# Altium PCB radxa_cm4_io_v1.10.PcbDoc (part 4 of 8)
Units mil, origin at the board's own origin, x right, y up, seen from the top; angles counter-clockwise.
Board outline 6299.62 x 3544.12 mil, 4 copper layers (Top, GND, Power, Bottom), stack 35.4 mil thick; 509 components, 417 nets, 1867 pads, 2150 vias.
Unrouted connection lines stored in the file: 1451.
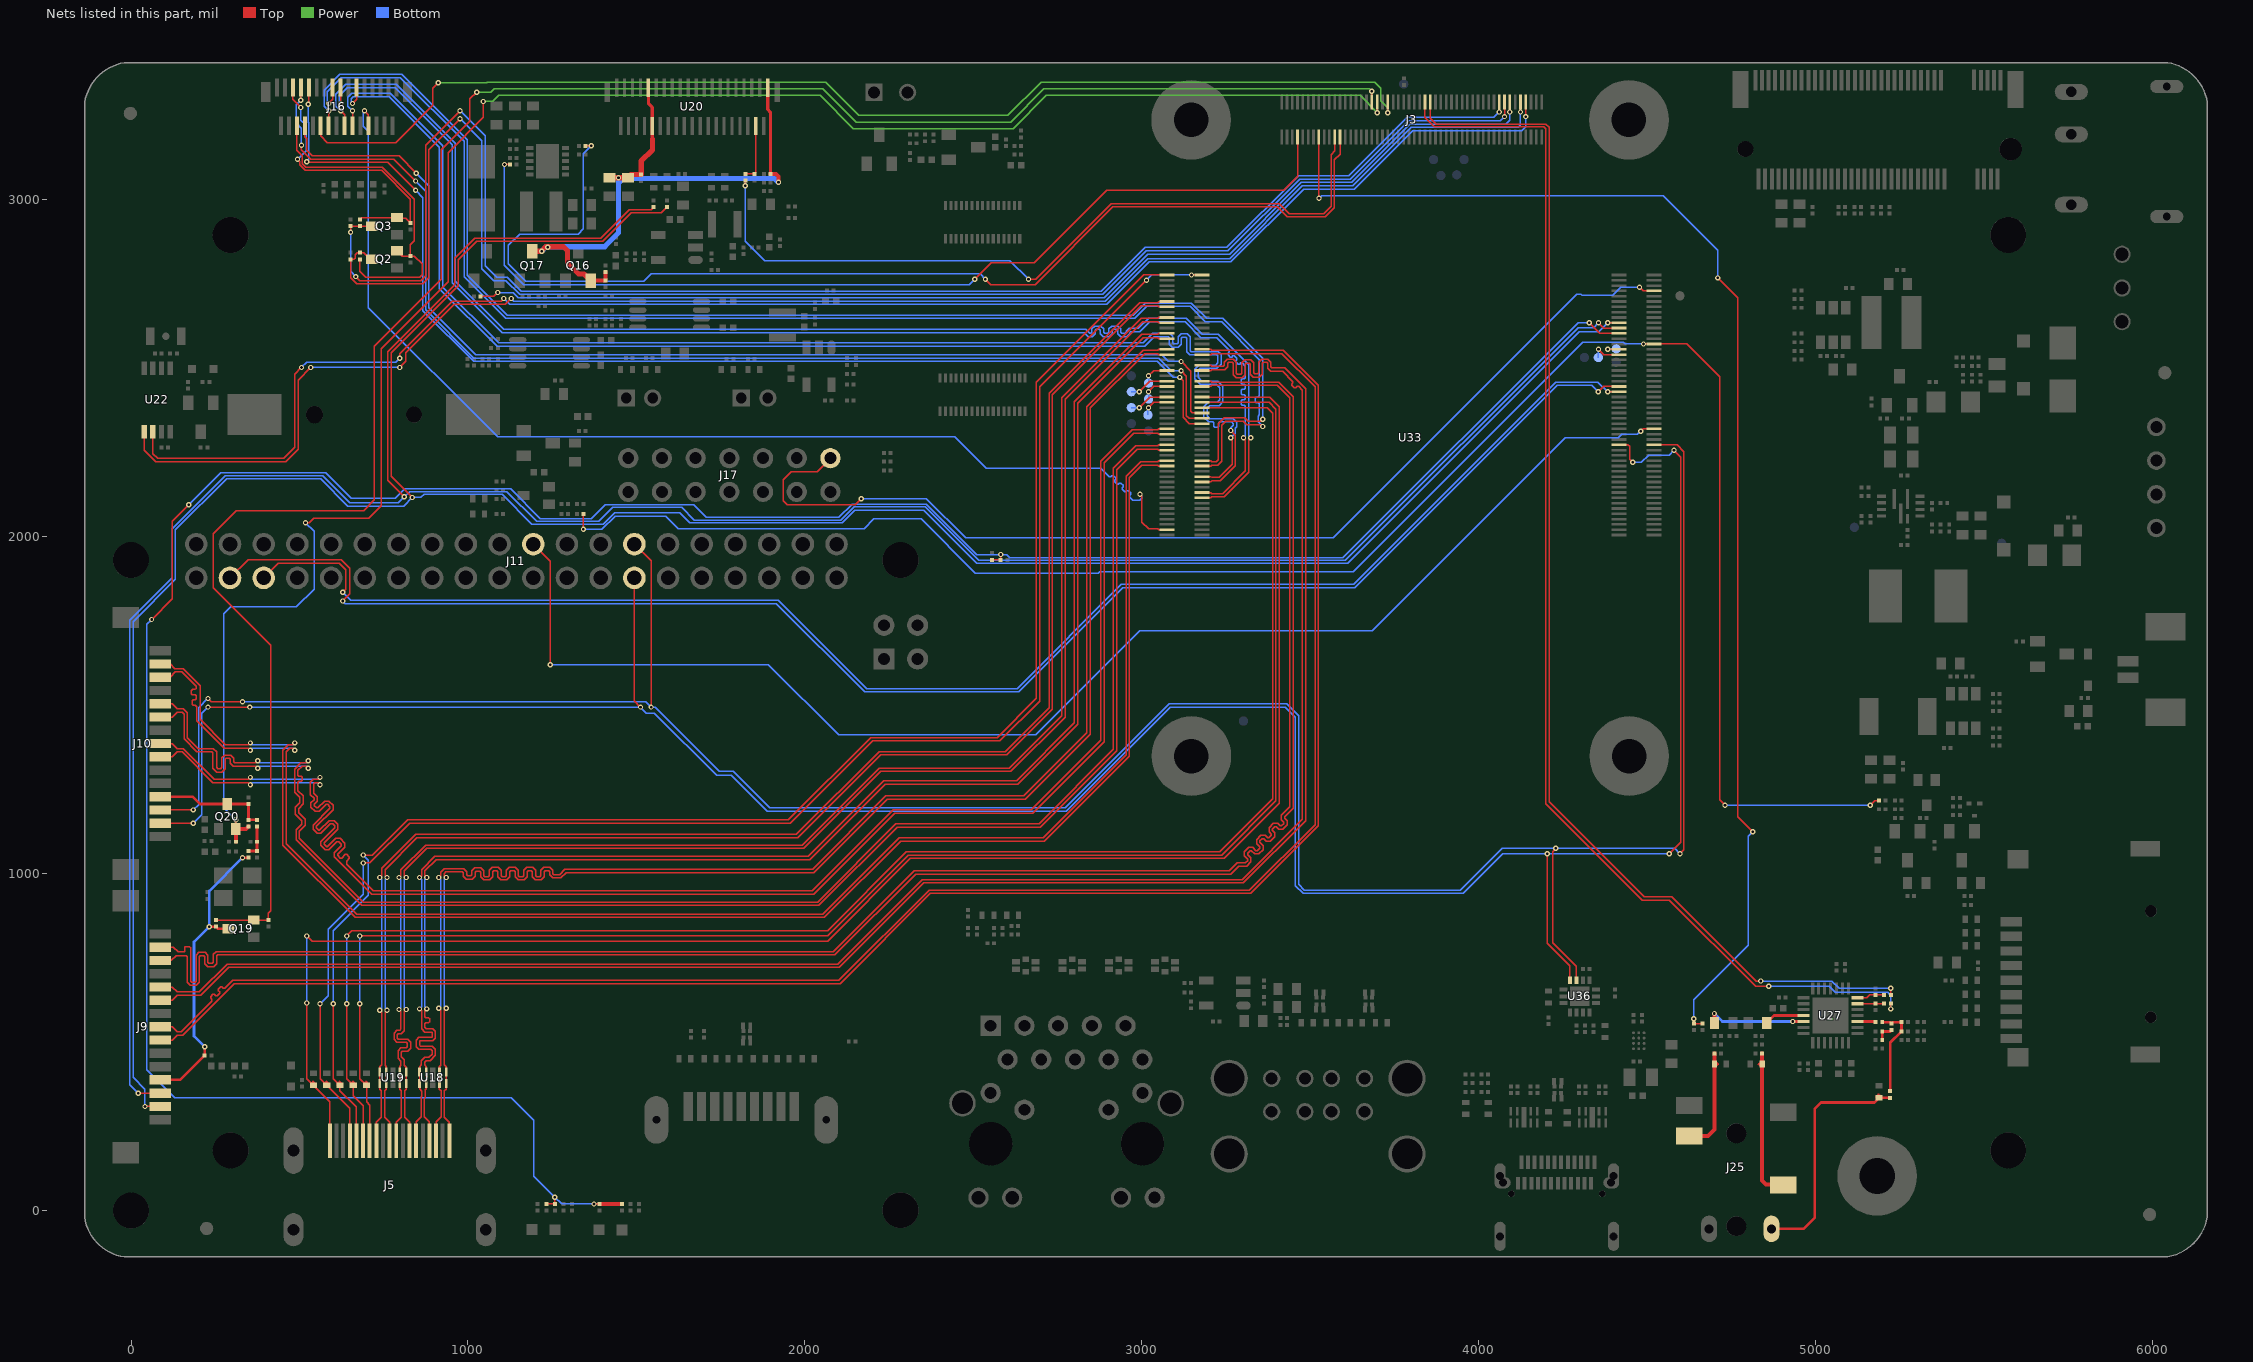
[diagram p6: the nets of this part, all layers, seen from the top]

## Via types
v1: diameter 15.75, hole 7.87, Top to Bottom, 2047 vias
v2: diameter 19.68, hole 11.81, Top to Bottom, 103 vias

## Nets (pads, with @x,y where several pads share a name; then routed paths per layer and width w, separated by ;. In a path a pad name is that pad's centre, name@x,y a point inside that pad or via, vN(x,y) a via of type N, cw(c..) or ccw(c..) an arc to the next point about the centre after c; other vN are vias at no path point) (continued)
GPIO3_D6_1V8: R326.1 R356.1 U33.73 | length 5594.9
  Top w3.94: v1(1342.52,2021.65) R356.1@1342.52,2066.93 ; v1(4488.58,2571.65) U33.73@4520.08,2571.65 4617.32,2571.65 4714.57,2474.41 4714.57,1218.5 v1(4730.32,1202.76) ; v1(5161.42,1202.76) 5175.2,1216.54 R326.1@5187.01,1216.54
  Bottom w3.94: v1(1342.52,2021.65) 1397.64,2021.65 1437.01,2061.02 1586.61,2061.02 1624.02,2023.62 2175.2,2023.62 2204.72,2053.15 2344.49,2053.15 2505.91,1891.73 2870.2,1891.73 2874.14,1895.67 3627.13,1895.67 4308.23,2576.77 4428.78,2576.77 4433.9,2571.65 v1(4488.58,2571.65) ; v1(4730.32,1202.76) v1(5161.42,1202.76)
GPIO_VREF: R214.1 R215.1 R216.2 R219.1 R224.1 R225.2 U33.78 | length 8265.5
  Top w3.94: v1(61.02,1753.94) 122.05,1814.96 122.05,2045.28 v1(171.26,2094.49) ; R219.1@1232.28,19.69 R216.2@1257.87,19.69 v1(1257.87,39.37) ; v1(1374.02,19.69) R224.1@1389.76,19.69 ; R215.1@2555.12,1931.1 R214.1@2580.71,1931.1 v1(2580.71,1946.85) ; v1(4327.17,2634.65) 4358.66,2603.15 U33.78@4415.35,2603.15
  Top w11.81: R224.1@1389.76,19.69 R225.2@1456.69,19.69
  Bottom w3.94: v1(61.02,1753.94) 47.24,1740.16 47.24,417.32 129.92,334.65 1127.95,334.65 1194.88,267.72 1194.88,102.36 v1(1257.87,39.37) 1277.56,19.69 v1(1374.02,19.69) ; v1(171.26,2094.49) 265.75,2188.98 578.13,2188.98 652.93,2114.17 784.02,2114.17 811.58,2141.73 1126.35,2141.73 1214.93,2053.15 1366.38,2053.15 1407.72,2094.49 1669.88,2094.49 1707.28,2057.09 2100.92,2057.09 2140.29,2096.46 2360.24,2096.46 2509.84,1946.85 v1(2580.71,1946.85) 2598.12,1946.85 2607.96,1937.01 3596.46,1937.01 4294.09,2634.65 v1(4327.17,2634.65)
HDMI_TX0N: J5.9 U19.4 U19.7 U33.184 | length 4399.1
  Top w3.94: J5.9@787.09,207.82 787.09,261.5 802.16,276.57 802.16,355.31 797.24,360.24 U19.4@797.24,376.48 U19.7@797.24,410.92 797.24,427.17 801.18,431.11 801.18,443.83 792.32,452.69 792.32,474.55 801.04,483.27 816.93,483.27 819.88,486.22 819.88,496.06 816.93,499.02 789.23,499.02 780.51,507.73 780.51,525.73 789.23,534.45 798.23,534.45 801.18,537.4 801.18,590.55 v1(795.28,596.46) ; v1(795.28,988.19) 801.18,994.09 801.18,1011.81 874.02,1084.65 1992.13,1084.65 2220.47,1312.99 2606.3,1312.99 2761.81,1468.5 2761.81,2411.42 2997.83,2647.44 3046.26,2647.44 3049.21,2650.39 U33.184@3074.8,2650.39
  Bottom w3.94: v1(795.28,596.46) 801.18,602.36 801.18,982.28 v1(795.28,988.19)
HDMI_TX0P: J5.7 U19.5 U19.6 U33.182 | length 4383.4
  Top w3.94: v1(816.93,596.46) 811.02,590.55 811.02,533.32 802.31,524.61 793.31,524.61 790.35,521.65 790.35,511.81 793.31,508.86 821.01,508.86 829.72,500.14 829.72,482.14 821.01,473.43 805.12,473.43 802.17,470.47 802.17,456.76 811.02,447.9 811.02,431.1 816.93,425.2 U19.6@816.93,410.92 U19.5@816.93,376.48 816.93,360.24 812.01,355.31 812.01,276.58 826.46,262.13 J5.7@826.46,207.82 ; v1(816.93,988.19) 811.02,994.09 811.02,1007.73 878.09,1074.8 1996.2,1074.8 2224.55,1303.15 2610.38,1303.15 2771.65,1464.43 2771.65,2407.34 3001.91,2637.6 3046.26,2637.6 3049.21,2634.65 U33.182@3074.8,2634.65
  Bottom w3.94: v1(816.93,596.46) 811.02,602.36 811.02,982.28 v1(816.93,988.19)
HDMI_TX1N: J5.6 U18.1 U18.10 U33.178 | length 4383.8
  Top w3.94: J5.6@846.14,207.82 846.14,263.46 860.9,278.22 860.9,337.28 863.19,339.57 863.19,354.34 856.3,361.22 U18.1@856.3,376.48 U18.10@856.3,410.92 856.3,427.17 861.22,432.09 861.22,443.9 872.05,454.72 883.86,454.72 893.7,464.57 893.7,474.41 889.76,478.35 861.08,478.35 854.19,478.35 846.46,486.08 846.46,506.05 854.19,513.78 859.11,513.78 891.73,513.78 893.7,515.75 893.7,527.56 891.73,529.53 871.91,529.53 862.2,539.23 862.2,592.52 v1(856.3,598.43) ; v1(856.3,988.19) 862.2,994.09 862.2,1011.81 901.57,1051.18 2009.84,1051.18 2234.25,1275.59 2627.81,1275.59 2799.21,1446.99 2799.21,2399.61 2999.8,2600.2 3046.26,2600.2 3049.21,2603.15 U33.178@3074.8,2603.15
  Bottom w3.94: v1(856.3,598.43) 862.2,604.33 862.2,982.28 ; v1(856.3,988.19) 862.2,982.28 ; v1@862.2,983.59 862.2,982.28
HDMI_TX1P: J5.4 U18.2 U18.9 U33.176 | length 4385.2
  Top w3.94: v1(877.95,598.43) 872.05,592.52 872.05,574.8 874.02,572.83 881.89,572.83 885.83,568.9 885.83,561.02 881.89,557.09 874.02,557.09 872.05,555.12 872.05,543.31 875.98,539.37 895.81,539.37 903.54,531.64 903.54,511.67 895.81,503.94 858.27,503.94 856.3,501.97 856.3,490.16 858.27,488.19 893.84,488.19 903.54,478.49 903.54,460.49 887.94,444.88 876.12,444.88 871.06,439.82 871.06,432.09 875.99,427.17 U18.9@875.99,410.92 U18.2@875.99,376.48 875.99,361.22 873.03,358.27 873.03,335.49 870.74,333.2 870.74,278.86 885.51,264.1 J5.4@885.51,207.82 ; v1(877.95,988.19) 872.05,994.09 872.05,1007.73 905.65,1041.34 2013.92,1041.34 2238.33,1265.75 2631.89,1265.75 2809.06,1442.91 2809.06,2395.53 3003.88,2590.35 3046.26,2590.35 3049.21,2587.4 U33.176@3074.8,2587.4
  Bottom w3.94: v1(877.95,598.43) 872.05,604.33 872.05,982.28 v1(877.95,988.19)
HDMI_TX2N: J5.3 U18.4 U18.7 U33.172 | length 4399.2
  Top w3.94: J5.3@905.2,207.82 905.2,263.46 920.27,278.54 920.27,355.31 915.35,360.24 U18.4@915.35,376.48 U18.7@915.35,410.92 915.35,427.17 919.29,431.11 919.29,594.49 v1(913.39,600.39) ; v1(913.39,988.19) 919.29,994.09 919.29,1003.94 930.12,1014.76 987.34,1014.76 996.06,1006.05 996.06,996.06 999.02,993.11 1008.86,993.11 1011.81,996.06 1011.81,1008.01 1020.53,1016.73 1038.53,1016.73 1047.24,1008.01 1047.24,994.09 1050.2,991.14 1060.04,991.14 1062.99,994.09 1062.99,1009.98 1071.71,1018.7 1089.71,1018.7 1098.43,1009.98 1098.43,994.09 1101.38,991.14 1111.22,991.14 1114.17,994.09 1114.17,1009.98 1122.89,1018.7 1140.89,1018.7 1149.61,1009.98 1149.61,994.09 1152.56,991.14 1162.4,991.14 1165.35,994.09 1165.35,1009.98 1174.07,1018.7 1192.07,1018.7 1200.79,1009.98 1200.79,994.09 1203.74,991.14 1213.58,991.14 1216.54,994.09 1216.54,1009.98 1225.25,1018.7 1243.25,1018.7 1251.97,1009.98 1251.97,1000 1254.92,997.05 1271.58,997.05 1287.33,1012.8 2022.64,1012.8 2240.16,1230.31 2267.72,1230.31 2649.61,1230.32 2836.61,1417.32 2836.61,2385.83 3003.74,2552.95 3046.26,2552.95 3049.21,2555.91 U33.172@3074.8,2555.91
  Bottom w3.94: v1(913.39,600.39) 919.29,606.3 919.29,982.52 913.63,988.19 v1(913.39,988.19)
HDMI_TX2P: J5.1 U18.5 U18.6 U33.170 | length 4383.5
  Top w3.94: v1(935.04,600.39) 929.13,594.49 929.13,433.07 935.04,427.17 U18.6@935.04,410.92 U18.5@935.04,376.48 935.04,360.24 930.12,355.31 930.12,276.58 944.57,262.13 J5.1@944.57,207.82 ; v1(935.04,988.19) 929.13,994.09 929.13,999.86 934.19,1004.92 983.27,1004.92 986.22,1001.97 986.22,991.99 994.94,983.27 1012.94,983.27 1021.65,991.99 1021.65,1003.94 1024.61,1006.89 1034.45,1006.89 1037.4,1003.94 1037.4,990.02 1046.12,981.3 1064.12,981.3 1072.83,990.02 1072.83,1005.91 1075.79,1008.86 1085.63,1008.86 1088.58,1005.91 1088.58,990.02 1097.3,981.3 1115.3,981.3 1124.02,990.02 1124.02,1005.91 1126.97,1008.86 1136.81,1008.86 1139.76,1005.91 1139.76,990.02 1148.48,981.3 1166.48,981.3 1175.2,990.02 1175.2,1005.91 1178.15,1008.86 1187.99,1008.86 1190.94,1005.91 1190.94,990.02 1199.66,981.3 1217.66,981.3 1226.38,990.02 1226.38,1005.91 1229.33,1008.86 1239.17,1008.86 1242.13,1005.91 1242.13,995.92 1250.84,987.2 1275.66,987.2 1291.41,1002.95 2026.71,1002.95 2244.23,1220.47 2653.68,1220.47 2846.46,1413.25 2846.46,2381.75 3007.82,2543.11 3046.26,2543.11 3049.21,2540.16 U33.170@3074.8,2540.16
  Bottom w3.94: v1(935.04,600.39) 929.13,606.3 929.13,982.52 929.37,982.52 v1(935.04,988.19)
HDMI_TX3N: J5.12 U19.1 U19.10 U33.190 | length 4402.4
  Top w3.94: J5.12@728.03,207.82 728.03,261.49 743.11,276.58 743.11,355.31 738.19,360.24 U19.1@738.19,376.48 U19.10@738.19,410.92 738.19,427.17 744.09,433.07 744.09,588.58 v1(738.19,594.49) ; v1(738.19,988.19) 744.09,994.09 744.09,1015.75 844.49,1116.14 1974.41,1116.14 2220.47,1362.2 2594.49,1362.2 2724.41,1492.13 2724.41,2425.2 2993.9,2694.68 3046.26,2694.68 3049.21,2697.64 U33.190@3074.8,2697.64
  Bottom w3.94: v1(738.19,594.49) 744.09,600.39 744.09,982.28 v1(738.19,988.19)
HDMI_TX3P: J5.10 U19.2 U19.9 U33.188 | length 4385
  Top w3.94: v1(759.84,594.49) 753.94,588.58 753.94,431.11 757.88,427.17 U19.9@757.88,410.92 U19.2@757.88,376.48 757.88,360.24 752.96,355.31 752.96,276.57 767.4,262.13 J5.10@767.4,207.82 ; v1(759.84,988.19) 753.94,994.09 753.94,1011.67 848.56,1106.3 1978.49,1106.3 2224.55,1352.36 2598.57,1352.36 2734.25,1488.05 2734.25,2421.12 2997.97,2684.84 3046.26,2684.84 3049.21,2681.89 U33.188@3074.8,2681.89
  Bottom w3.94: v1(759.84,594.49) 753.94,600.39 753.94,982.28 v1(759.84,988.19)
HDMI_TX_CEC_PORT: D14.1 J5.13 U33.151 | length 4893.1
  Top w3.94: v1(679.13,614.17) 679.13,391.73 D14.1@698.82,372.05 698.82,322.83 708.66,312.99 708.66,208.13 J5.13@708.35,207.82 ; v1(679.13,814.96) 2066.93,814.96 2307.09,1055.12 3236.22,1055.12 3397.64,1216.54 3397.64,2377.95 3377.17,2398.43 U33.151@3178.74,2398.43
  Bottom w3.94: v1(679.13,614.17) v1(679.13,814.96)
HDMI_TX_SCL_PORT: D12.1 J5.15 U33.200 | length 4574.3
  Top w3.94: v1(600.39,614.17) 600.39,391.73 D12.1@620.08,372.05 620.08,356.3 668.98,307.4 J5.15@668.98,207.82 ; v1(688.98,1055.12) 716.54,1055.12 820.87,1159.45 1950.79,1159.45 2194.88,1403.54 2570.87,1403.54 2687.01,1519.69 2687.01,2458.66 3004.72,2776.38 U33.200@3074.8,2776.38
  Bottom w3.94: v1(600.39,614.17) 600.39,830.71 704.72,935.04 704.72,1039.37 v1(688.98,1055.12)
HDMI_TX_SDA_PORT: D11.1 J5.16 U33.199 | length 4671.9
  Top w3.94: v1(561.02,614.17) 561.02,391.73 D11.1@580.71,372.05 649.29,303.47 J5.16@649.29,207.82 ; v1(688.98,1031.5) 708.66,1031.5 826.77,1149.61 1956.69,1149.61 2200.79,1393.7 2578.74,1393.7 2696.85,1511.81 2696.85,2444.09 v1(3013.39,2760.63) ; v1(3147.24,2776.38) U33.199@3178.74,2776.38
  Bottom w3.94: v1(561.02,614.17) 584.65,637.8 584.65,834.65 688.98,938.98 v1(688.98,1031.5) ; v1(3013.39,2760.63) 3029.13,2776.38 v1(3147.24,2776.38)
HDMITX_HPDIN/HDMITX_SBDN: D9.1 J5.19 U33.153 | length 5115.1
  Top w3.94: v1(521.65,616.14) 521.65,391.73 D9.1@541.34,372.05 590.24,323.15 J5.19@590.24,207.82 ; v1(521.65,814.96) 537.4,799.21 2066.93,799.21 2312.99,1045.28 3244.09,1045.28 3407.48,1208.66 3407.48,2385.83 3379.13,2414.17 U33.153@3178.74,2414.17
  Bottom w3.94: v1(521.65,616.14) v1(521.65,814.96)
HDMITX_SBDP: D10.1 J5.14 U33.149 | length 4903.8
  Top w3.94: v1(639.76,614.17) 639.76,391.73 D10.1@659.45,372.05 659.45,340.55 688.66,311.34 J5.14@688.66,207.82 ; v1(639.76,814.96) 655.51,830.71 2066.93,830.71 2301.18,1064.96 3230.32,1064.96 3387.8,1222.44 3387.8,2366.14 3371.26,2382.68 U33.149@3178.74,2382.68
  Bottom w3.94: v1(639.76,614.17) v1(639.76,814.96)
HP_DET_L: C1.1 J3.86 R19.1 | length 3872.1
  Top w3.94: J3.86@3524.81,3185.83 3524.81,3181.6 3524.8,3004.72 v1(3525.59,3003.94) ; v1(4637.8,568.9) C1.1@4637.8,555.12 R19.1@4663.39,555.12 ; v1(4708.66,2767.72) 4767.72,2708.66 4767.72,1169.29 v1(4812.99,1124.02)
  Bottom w3.94: v1(3525.59,3003.94) 3533.46,3011.81 4547.24,3011.81 4708.66,2850.39 v1(4708.66,2767.72) ; v1(4637.8,568.9) 4637.8,625.98 4799.21,787.4 4799.21,1110.24 v1(4812.99,1124.02)
HP_GND: C248.2 C276.2 R26.1 | length 54.8
  Top w7.87: R26.1@5196.85,505.91 C248.2@5196.85,531.5 5220.47,531.5 C276.2@5224.41,535.43
HPOUT_L: C275.1 U27.12 | length 301.1
  Top w7.87: v1(4931.1,561.02) U27.12@4962.6,561.02
  Top w11.81: C275.1@4698.82,557.09 v1(4698.82,584.65)
  Bottom w7.87: v1(4698.82,584.65) 4722.44,561.02 v1(4931.1,561.02)
HPOUT_L_C: D32.1 FB16.2 J25.3 | length 309
  Top w11.81: J25.3@4624.02,221.26 4679.92,221.26 4698.82,240.16 D32.1@4698.82,435.04 FB16.2@4698.82,466.54
HPOUT_R: C278.1 U27.11 | length 117.2
  Top w7.87: C278.1@4854.33,557.09 4875.98,578.74 U27.11@4962.6,578.74
HPOUT_R_C: D7.1 FB17.2 J25.6 | length 446.3
  Top w11.81: FB17.2@4840.55,466.54 D7.1@4840.55,435.04 4840.55,88.58 4852.36,76.77 4902.36,76.77 J25.6@4903.54,75.59
HSON: P7.1 U33.154 | length 119.3
  Top w3.94: v1(2991.73,2382.68) 3023.23,2414.17 U33.154@3074.8,2414.17
  Bottom w3.94: P7.1@2968.5,2382.68 v1(2991.73,2382.68)
HSON_CLK: P9.1 U33.160 | length 119.3
  Top w3.94: v1(2991.73,2429.92) 3023.23,2461.42 U33.160@3074.8,2461.42
  Bottom w3.94: P9.1@2968.5,2429.92 v1(2991.73,2429.92)
HSOP: P6.1 U33.152 | length 84.3
  Top w3.94: v1(3019.29,2382.68) 3035.04,2398.43 U33.152@3074.8,2398.43
  Bottom w3.94: P6.1@3017.72,2361.02 3017.72,2381.1 v1(3019.29,2382.68)
HSOP_CLK: P8.1 U33.158 | length 83.9
  Top w3.94: v1(3019.29,2429.92) 3035.04,2445.67 U33.158@3074.8,2445.67
  Bottom w3.94: v1(3019.29,2429.92) 3019.68,2429.53 P8.1@3019.68,2408.27
I2C0_SCL_M1_TP: J9.3 R256.1 U33.80 | length 8123.9
  Top w3.94: v1(21.65,348.43) J9.3@86.61,348.4 ; v1(811.02,2118.11) 761.81,2167.32 761.81,2549.21 960.63,2748.03 960.63,2826.77 1019.69,2885.83 1393.7,2885.83 1478.35,2970.47 1543.31,2970.47 R256.1@1551.18,2978.35 ; v1(4354.72,2634.65) 4370.47,2618.9 U33.80@4415.35,2618.9
  Bottom w3.94: v1(21.65,348.43) -3.94,374.02 -3.94,1751.97 122.05,1877.95 122.05,2023.62 279.53,2181.1 568.9,2181.1 649.61,2100.39 793.31,2100.39 v1(811.02,2118.11) 826.77,2133.86 1115.37,2133.86 1203.96,2045.28 1387.8,2045.28 1429.13,2086.61 1633.86,2086.61 1671.26,2049.21 2106.3,2049.21 2145.67,2088.58 2356.79,2088.58 2516.24,1929.13 3603.22,1929.13 4294.17,2620.08 4340.16,2620.08 v1(4354.72,2634.65)
I2C0_SDA_M1_TP: J9.2 R258.1 U33.82 | length 8154.6
  Top w3.94: v1(41.34,309.06) 41.38,309.1 J9.2@86.61,309.1 ; v1(834.65,2116.14) 771.65,2179.13 771.65,2545.28 970.47,2744.09 970.47,2820.87 1025.59,2875.98 1399.61,2875.98 1484.25,2960.63 1572.83,2960.63 R258.1@1590.55,2978.35 ; v1(4382.28,2634.65) U33.82@4415.35,2634.65
  Bottom w3.94: v1(41.34,309.06) 41.34,360.24 5.91,395.67 5.91,1748.03 131.89,1874.02 131.89,2019.69 283.46,2171.26 562.99,2171.26 643.7,2090.55 809.06,2090.55 v1(834.65,2116.14) 860.34,2116.14 870.18,2125.98 1101.23,2125.98 1189.82,2037.4 1401.57,2037.4 1435.04,2070.87 1627.95,2070.87 1657.48,2041.34 2110.24,2041.34 2147.64,2078.74 2352.36,2078.74 2509.84,1921.26 3610.42,1921.26 4297.43,2608.27 4355.91,2608.27 v1(4382.28,2634.65)
I2C2_SCL_M0_CC_RTC: J3.7 U22.6 | length 4775.2
  Top w3.94: U22.6@64.96,2311.02 64.96,2246.06 78.74,2232.28 452.76,2232.28 486.22,2265.75 486.22,2482.28 v1(505.91,2501.97) ; v1(797.24,2529.53) 797.24,2543.31 952.76,2698.82 1098.43,2698.82 v1(1106.3,2706.69) ; v1(4138.98,3246.46) 4138.98,3277.5 J3.7@4138.98,3289.77
  Bottom w3.94: v1(505.91,2501.97) 521.65,2517.72 785.43,2517.72 v1(797.24,2529.53) ; v1(1106.3,2706.69) 1124.02,2688.98 2895.67,2688.98 3021.65,2814.96 3263.78,2814.96 3480.32,3031.5 3629.92,3031.5 3803.15,3204.72 4127.17,3204.72 4138.98,3216.54 v1(4138.98,3246.46)
I2C2_SDA_M0_CC_RTC: J3.9 U22.5 | length 4777
  Top w3.94: U22.5@39.37,2311.02 39.37,2255.91 72.83,2222.44 458.66,2222.44 496.06,2259.84 496.06,2464.57 v1(533.46,2501.97) ; v1(797.24,2501.97) 814.96,2519.69 814.96,2545.28 958.66,2688.98 1110.24,2688.98 v1(1127.95,2706.69) ; v1(4123.23,3260.24) 4123.23,3279.9 J3.9@4123.23,3289.77
  Bottom w3.94: v1(533.46,2501.97) v1(797.24,2501.97) ; v1(1127.95,2706.69) 1135.83,2698.82 2891.73,2698.82 3017.72,2824.8 3259.84,2824.8 3476.38,3041.34 3625.98,3041.34 3799.21,3214.57 4117.32,3214.57 4123.23,3220.47 v1(4123.23,3260.24)
I2C3_SCL_M0_AUDIO: J3.43 R29.1 | length 3676.8
  Top w3.94: J3.43@3855.52,3289.77 3855.52,3274.9 3855.51,3242.13 3873.23,3224.41 4198.82,3224.41 4208.66,3214.57 4208.66,1212.6 4490.16,931.1 4572.83,931.1 4822.83,681.1 v1(4836.61,681.1) ; R29.1@5222.44,639.76 v1(5222.44,659.45)
  Bottom w3.94: v1(4836.61,681.1) 5047.24,681.1 5068.9,659.45 v1(5222.44,659.45)
I2C3_SDA_M0_AUDIO: J3.45 R109.1 | length 3736.9
  Top w3.94: J3.45@3839.77,3289.77 3839.77,3278.8 3839.76,3244.09 3867.32,3216.54 4192.91,3216.54 4198.82,3210.63 4198.82,1206.69 4484.25,921.26 4564.96,921.26 4820.87,665.35 v1(4860.24,665.35) ; v1(5222.44,598.43) R109.1@5222.44,614.17
  Bottom w3.94: v1(4860.24,665.35) 5039.37,665.35 5057.09,647.64 5212.6,647.64 5222.44,637.8 v1(5222.44,598.43)
I2C4_SCL_M3_1V8: P27.1 U33.72 | length 58.8
  Top w3.94: v1(4382.28,2555.91) U33.72@4415.35,2555.91
  Bottom w3.94: v1(4382.28,2555.91) 4406.3,2555.91 P27.1@4407.48,2557.09
I2C4_SDA_M3_1V8: P26.1 U33.70 | length 91.7
  Top w3.94: v1(4354.72,2555.91) 4370.47,2540.16 U33.70@4415.35,2540.16
  Bottom w3.94: P26.1@4354.33,2531.5 4354.72,2531.89 v1(4354.72,2555.91)
I2C5_SCL_M3_1V8: J16.24 U33.147 | length 3337.9
  Top w3.94: J16.24@515.75,3219.5 515.75,3187.01 521.65,3181.11 521.65,3145.87 537.6,3129.92 795.28,3129.92 v1(846.46,3078.74) ; v1(3116.14,2519.69) 3144.49,2491.34 3144.49,2372.05 3149.61,2366.93 U33.147@3178.74,2366.93
  Bottom w3.94: v1(846.46,3078.74) 883.86,3041.34 883.86,2679.13 1023.62,2539.37 3059.06,2539.37 3078.74,2519.69 v1(3116.14,2519.69)
I2C5_SDA_M3_1V8: J16.25 U33.145 | length 3475.1
  Top w3.94: v1(503.94,3295.28) J16.25@503.94,3332.68 ; v1(505.91,3161.42) 505.91,3147.64 533.46,3120.08 779.53,3120.08 v1(844.49,3055.12) ; v1(3116.14,2492.13) 3131.89,2476.38 3131.89,2359.06 3139.76,2351.18 U33.145@3178.74,2351.18
  Bottom w3.94: v1(503.94,3295.28) 490.16,3281.5 490.16,3227.46 505.91,3211.71 v1(505.91,3161.42) ; v1(844.49,3055.12) 874.02,3025.59 874.02,2673.23 1017.72,2529.53 3049.21,2529.53 3086.61,2492.13 v1(3116.14,2492.13)
I2C6_SCL_M3: J10.3 J11.28 U33.35 U36.6 | length 7880.9
  Top w3.94: J10.3@86.61,1188.95 v1(185.04,1188.98) ; v1(228.35,1519.69) 238.19,1509.84 v1(330.71,1509.84) ; J11.28@1493.7,1977.56 1543.31,1927.95 v1(1543.31,1494.09) ; v1(4228.35,1074.8) 4218.5,1064.96 4218.5,795.28 4289.37,724.41 U36.6@4289.37,683.46 ; U33.35@4520.08,2272.44 4587.8,2272.44 4608.27,2251.97 4608.27,1070.87 v1(4596.46,1059.06)
  Bottom w3.94: v1(185.04,1188.98) 200.79,1204.72 200.79,1492.13 v1(228.35,1519.69) ; v1(330.71,1509.84) 1527.56,1509.84 v1(1543.31,1494.09) 1555.12,1494.09 1746.06,1303.15 1787.4,1303.15 1895.67,1194.88 2771.65,1194.88 3080.71,1503.94 3429.13,1503.94 3464.57,1468.5 3464.57,968.5 3482.28,950.79 3944.88,950.79 4068.9,1074.8 v1(4228.35,1074.8) 4580.71,1074.8 v1(4596.46,1059.06)
I2C6_SDA_M3: J10.2 J11.27 U33.36 U36.7 | length 7859.1
  Top w3.94: J10.2@86.61,1149.65 185,1149.65 v1(185.04,1149.61) ; v1(228.35,1494.09) v1(352.36,1494.09) ; J11.27@1493.7,1877.56 1493.7,1512.2 v1(1511.81,1494.09) ; v1(4202.76,1059.06) 4202.76,793.31 4269.69,726.38 U36.7@4269.69,683.46 ; U33.36@4415.35,2272.44 4442.13,2272.44 4446.85,2267.72 4446.85,2230.32 v1(4456.69,2220.47) ; v1(4564.96,1059.06) 4598.43,1092.52 4598.43,2236.22 v1(4578.74,2255.91)
  Bottom w3.94: v1(185.04,1149.61) 210.63,1175.2 210.63,1476.38 v1(228.35,1494.09) ; v1(352.36,1494.09) v1(1511.81,1494.09) 1529.53,1476.38 1553.15,1476.38 1738.19,1291.34 1781.5,1291.34 1887.8,1185.04 2775.59,1185.04 3084.65,1494.09 3425.2,1494.09 3454.72,1464.57 3454.72,964.57 3478.35,940.94 3952.76,940.94 4070.87,1059.06 v1(4202.76,1059.06) v1(4564.96,1059.06) ; v1(4456.69,2220.47) 4482.28,2220.47 4503.94,2242.13 4564.96,2242.13 v1(4578.74,2255.91)
I2C8_SCL_M1: J11.5 U33.56 | length 4635.6
  Top w3.94: J11.5@393.7,1877.56 437.4,1921.26 618.11,1921.26 637.8,1901.57 637.8,1844.49 v1(627.95,1834.65) ; v1(4381.89,2429.92) U33.56@4415.35,2429.92
  Bottom w3.94: v1(627.95,1834.65) 651.57,1811.02 1921.26,1811.02 2183.07,1549.21 2629.92,1549.21 2938.98,1858.27 3627.95,1858.27 4228.35,2458.66 4353.15,2458.66 v1(4381.89,2429.92)
I2C8_SDA_M1: J11.3 U33.58 | length 4784.3
  Top w3.94: J11.3@293.7,1877.56 347.24,1931.1 624.02,1931.1 649.61,1905.51 649.61,1830.71 v1(627.95,1809.06) ; v1(4354.33,2429.92) 4370.08,2445.67 U33.58@4415.35,2445.67
  Bottom w3.94: v1(627.95,1809.06) 635.83,1801.18 1915.35,1801.18 2177.17,1539.37 2633.86,1539.37 2942.91,1848.43 3631.89,1848.43 4232.28,2448.82 4335.43,2448.82 v1(4354.33,2429.92)